# Altium PCB BEE_BOARD.PcbDoc (part 2 of 3) (continued)
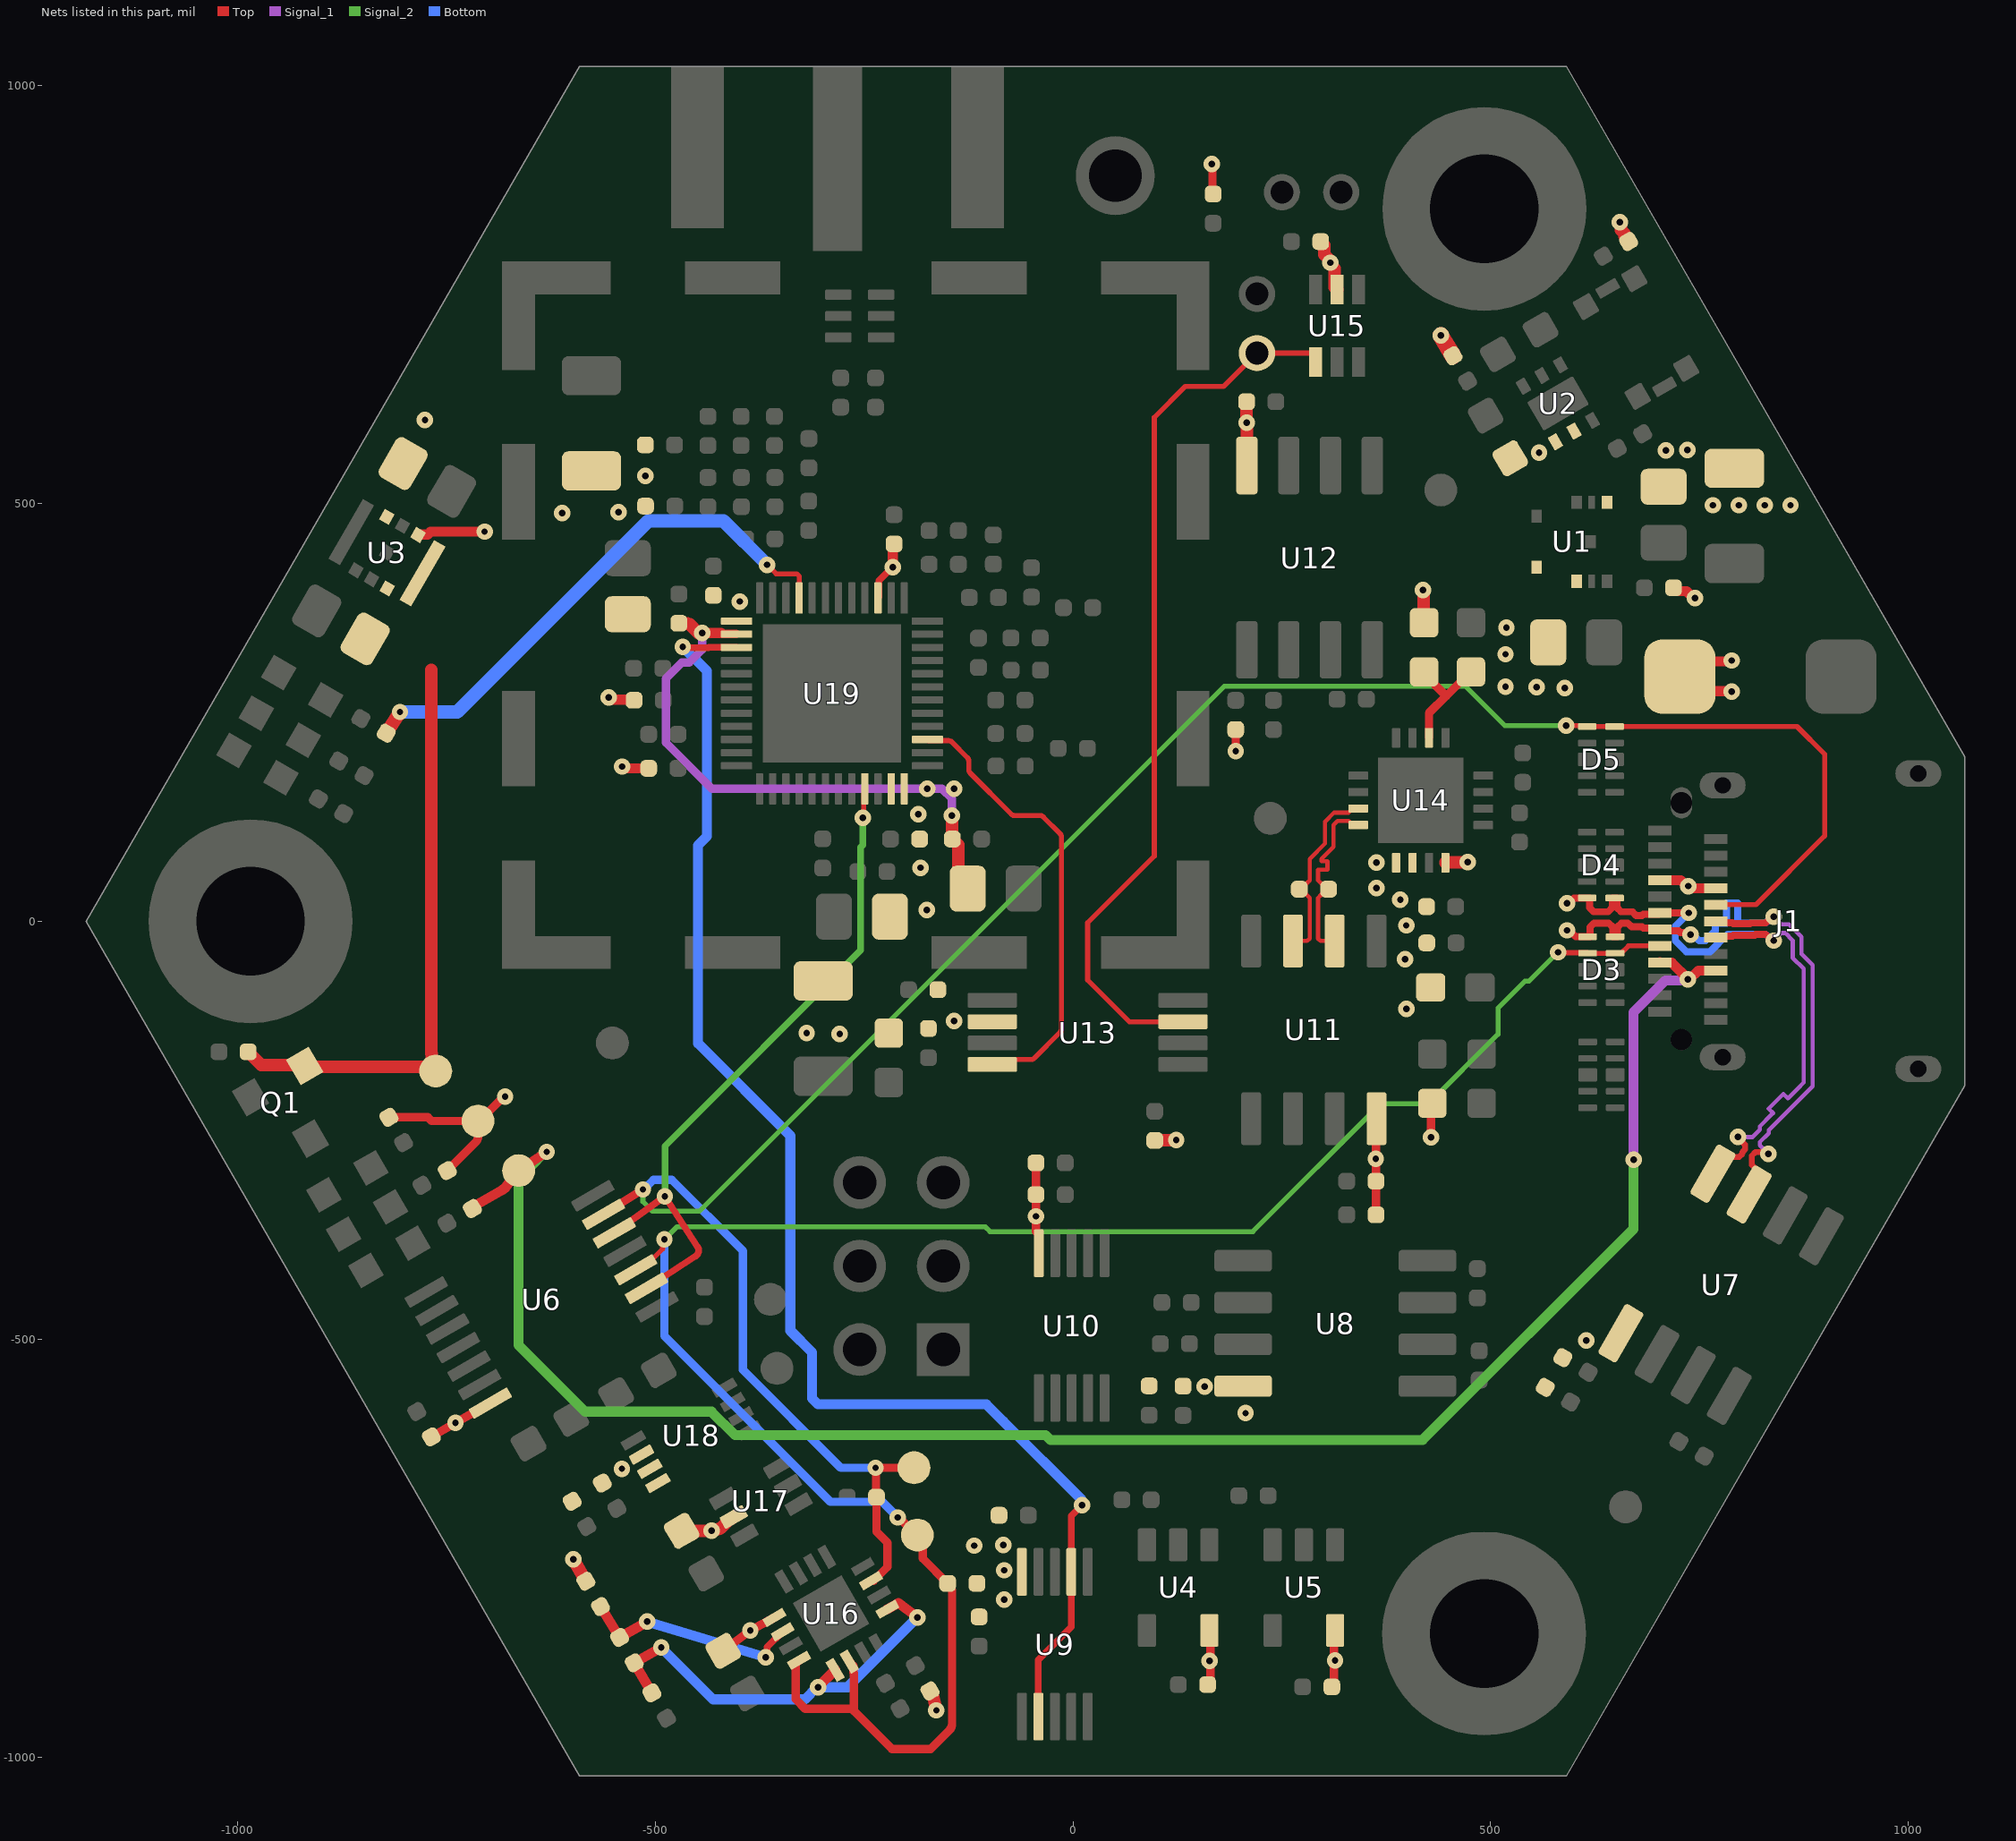
[diagram p8: the nets of this part, all layers, seen from the top]
## Part data (continued)
R37: library part RES_RC0402FR-07270RL, "RES - 270R 1% 1/16W - 0402", Manufacturer #1=Yageo, Package=0402, Power Max=1/16W, Supplier Part Number 1=311-270LRCT-ND, Temperature="-55°C ~ 155°C", Tolerance=1%, Voltage Rating=50V, Assembly Type=SMD, CreatedBy/Date="Philippe Arsenault 2020-07-24", GRAMS Lib Spec=2.8c, HelpURL=https://www.yageo.com/upload/media/product/productsearch/datasheet/rchip/PYu-RC_Group_51_RoHS_L_10.pdf, Magnetic Material=Unknown, Part Number #1=RC0402FR-07270RL, Polarized=No, Supplier 1=Digi-Key, VerifiedBy="Louis-Daniel Gaulin / 03-10-2020"
RF1: library part RF_SH_BASE_36103205S, "RF_SH -  BASE RF SHIELD 0.787\" X 0.787\" SMD", Manufacturer #1="Würth Elektronik", Supplier Part Number 1=732-11540-1-ND, Temperature="-40°C ~ 125°C", Assembly Type=SMD, CreatedBy/Date="Philippe Arsenault/2021-04-17", GRAMS Lib Spec=2.8, HelpURL=https://www.we-online.de/katalog/datasheet/36903205S.pdf, Magnetic Material=Unknown, Note="Buy with 36003200S", Part Number #1=36103205S, Polarized=No, Supplier 1=Digi-Key, VerifiedBy="Louis-Daniel Gaulin / 29-04-2021"
S1: library part SWI_TACT_435171014816, "SWI - SWITCH TACTILE SPST-NO 0.05A 12V -SMD", Current Rating=50mA, Manufacturer #1="Würth Elektronik", Package=SMD, Supplier Part Number 1=732-435171014816CT-ND, Temperature="-40°C ~ 85°C", Voltage Rating=12VDC, Assembly Type=SMD, CreatedBy/Date="Hubert Dube - 22/07/20", Cryo=UNKNOWN, GRAMS Lib Spec=2.8, HelpURL=https://www.we-online.com/catalog/datasheet/435171014816.pdf, Magnetic Material=UNKNOWN, Part Number #1=435171014816, Polarized=No, Supplier 1=Digi-Key, VerifiedBy="Louis-Daniel Gaulin / 12-11-2020"
T1: library part XFR_HHM1595A1, "XFR - Imp Unbalaced/Balanced 50/100 3-8GHz  -SMD", Manufacturer #1=TDK, Package=0805, Supplier Part Number 1=445-3387-1-ND, Temperature="-40°C ~ 85°C", Assembly Type=MT, CreatedBy/Date="Philippe Arsenault/2020-21-07", GRAMS Lib Spec=2.8, HelpURL=https://product.tdk.com/info/en/documents/data_sheet/rf_balun_hhm1595a1_en.pdf, Magnetic Material=Unknown, Part Number #1=HHM1595A1, Polarized=Yes, Supplier 1=Digi-Key, VerifiedBy="Louis-Daniel Gaulin / 03-10-2020"
U1: library part REG_SWR_XCL214B333DR, "REG_DC DC CONVERTER 3.3V 5W_9-PowerTFQFN", Current Rating=1.5A, Manufacturer #1="Torex Semiconductor Ltd", Package=9-PowerTFQFN, Supplier Part Number 1=893-1218-1-ND, Temperature="-40°C ~ 105°C", Voltage Rating="2.7V to 5.5V IN", Assembly Type=SMD, CreatedBy/Date="Louis-Daniel Gaulin / 21-07-2020", Cryo=UNKNOWN, GRAMS Lib Spec=2.8, HelpURL=https://www.torexsemi.com/file/xcl213/XCL213-XCL214.pdf, Magnetic Material=Unknown, Part Number #1=XCL214B333DR, Polarized=Yes, Supplier 1=Digi-Key, VerifiedBy="Philippe Arsenault/2020-11-06"
U2: library part POW_TPS3808G33DRVR, "POW - Programmable-Delay Supervisory Circuit Open Drain - 6WSON", Current Rating=2.4uA, Manufacturer #1="Texas Instruments", Package=6-WSON, Supplier Part Number 1=296-36792-1-ND, Temperature="-40°C ~ 125°C", Voltage Rating="1.7V ~ 6.5V (VDD); 3.07V TH", Assembly Type=SMD, CreatedBy/Date="Philippe Arsenault/2021-04-19", Cryo=UNKNOWN, GRAMS Lib Spec=2.8, HelpURL=http://www.ti.com/lit/ds/symlink/tps3808.pdf, Magnetic Material=Unknown, Part Number #1=TPS3808G33DRVR, Polarized=Yes, Supplier 1=Digi-Key, VerifiedBy="Louis-Daniel Gaulin / 29-04-2021"
U3: library part REG_SWR_MYRGP180100W21RA, "REG_DC DC CONVERTER 1.8V 1.8W_8-PowerTDFN", Current Rating=1A, Manufacturer #1="Murata Power Solutions Inc.", Package=8-PowerTDFN, Supplier Part Number 1=811-MYRGP180100W21RACT-ND, Temperature=-40°C~105°C, Voltage Rating="2.5V to 5.5V IN", Assembly Type=SMD, CreatedBy/Date="Louis-Daniel Gaulin / 21-07-2020", Cryo=UNKNOWN, GRAMS Lib Spec=2.8, HelpURL=https://www.murata.com/products/productdata/8807036026910/MYRGP-b-w.pdf?1583754814000, Magnetic Material=Unknown, Part Number #1=MYRGP180100W21RA, Polarized=Yes, Supplier 1=Digi-Key, VerifiedBy="Philippe Arsenault/2020-11-06"
U4 U5: library part LOG_BUF_74AHC1G07GV,125, "LOG_BUF - Buffer non-inverting Open Drain - SC-74A", Current Rating=8mA, Manufacturer #1="Nexperia USA Inc.", Package=SC-74A, Power Max=-, Supplier Part Number 1=1727-6761-1-ND, Temperature="-40°C ~ 125°C (TA)", Voltage Rating="2V ~ 5.5V", Assembly Type=SMD, CreatedBy/Date="Louis-Daniel Gaulin / 07-04-2021", GRAMS Lib Spec=2.8, HelpURL=https://assets.nexperia.com/documents/data-sheet/74AHC1G07.pdf, Magnetic Material=Unknown, Part Number #1=74AHC1G07GV,125, Polarized=Yes, Supplier 1=Digi-Key, VerifiedBy="Philippe Arsenault/2021-04-08"
U6: library part LOG_BUF_74LVC126APW,118, "LOG_BUF - Quad Buffer non-inverting 3-States - 14-TSSOP", Current Rating="100mA (supply) - 24mA (output)", Manufacturer #1="Nexperia USA Inc.", Package=14-TSSOP, Power Max=500mW, Supplier Part Number 1=1727-5979-1-ND, Temperature="-40°C ~ 125°C (TA)", Voltage Rating="1.65V ~ 3.6V", Assembly Type=SMD, CreatedBy/Date="Louis-Daniel Gaulin / 11-04-2021", GRAMS Lib Spec=2.8, HelpURL=https://assets.nexperia.com/documents/data-sheet/74LVC126A.pdf, Magnetic Material=Unknown, Part Number #1=74LVC126APW,118, Polarized=Yes, Supplier 1=Digi-Key, VerifiedBy="Philippe Arsenault/2021-04-14"
U7: library part COM_XCV_FIN1027AMX, "COM_XCV - 3V3 LVCMOS to LVDS, 2 bits, High-SPEED, DIFF driver - SOIC-8", Current Rating=17mA, Manufacturer #1="ON Semiconductor", Package=SOIC-8, Power Max=56mW, Supplier Part Number 1=FIN1027AMXCT-ND, Temperature="-40°C ~ 85°C", Voltage Rating="3V ~ 3.6V", Assembly Type=SMD, CreatedBy/Date="Philippe Arsenault/2021-04-01", GRAMS Lib Spec=2.8, HelpURL=https://www.onsemi.com/pdf/datasheet/fin1027a-d.pdf, Magnetic Material=Unknown, Part Number #1=FIN1027AMX, Polarized=YES, Supplier 1=Digi-Key, VerifiedBy="Louis-Daniel Gaulin - 05/04/2021"
U8 U12: library part COM_XCV_FIN1028MX, "COM_XCV - 3V3 LVDS to LVCMOS, 2 bits, High-SPEED, DIFF receiver - SOIC-8", Current Rating=9mA, Manufacturer #1="ON Semiconductor", Package=SOIC-8, Power Max=30mW, Supplier Part Number 1=FIN1028MXCT-ND, Temperature="-40°C ~ 85°C", Voltage Rating="3V ~ 3.6V", Assembly Type=SMD, CreatedBy/Date="Philippe Arsenault/2021-04-01", GRAMS Lib Spec=2.8, HelpURL=https://www.onsemi.com/pdf/datasheet/fin1028-d.pdf, Magnetic Material=Unknown, Part Number #1=FIN1028MX, Polarized=YES, Supplier 1=Digi-Key, VerifiedBy="Louis-Daniel Gaulin - 05/04/2021"
U9 U10: library part LOG_MUX_TMUX154EDGSR, "LOG_MUX -  SWITCH SPDT DUAL 2:1 - 10-VSSOP", Current Rating=10uA, Manufacturer #1="Texas Instruments", Manufacturer #2=-, Package=10-VSSOP, Power Max=50uW, Supplier Part Number 1=296-48347-1-ND, Temperature="-40°C ~ 85°C", Voltage Rating="3V ~ 4.3V", Assembly Type=SMD, CreatedBy/Date="Louis-Daniel Gaulin / 06-10-2020", GRAMS Lib Spec=2.8C, HelpURL=https://www.ti.com/lit/ds/symlink/tmux154e.pdf?HQS=TI-null-null-digikeymode-df-pf-null-wwe&ts=1602037764538, Magnetic Material=Unknown, Note=-, Part Number #1=TMUX154EDGSR, Part Number #2=-, Polarized=YES, Supplier 1=Digi-Key, Tolerance=-, VerifiedBy="Philippe Arsenault/2020-11-06"
U11: library part TIM_BUF_PI6C49CB01Q3WEX, "TIM_BUF - Clock Translator IC 1:1 LVDS-LVCMOS -  8-SOIC", Current Rating=35mA, Manufacturer #1="Diodes Incorporated", Package=8-SOIC, Power Max=126mW, Supplier Part Number 1=31-PI6C49CB01Q3WEXCT-ND, Temperature="-40 to 85°C", Voltage Rating="2.375V ~ 2.625V, 3V ~ 3.6V", Assembly Type=SMD, CreatedBy/Date="Philippe Arsenault/2021-03-26", GRAMS Lib Spec=2.7, HelpURL=https://www.diodes.com/assets/Datasheets/PI6C49CB01Q.pdf, Magnetic Material=Unknown, Part Number #1=PI6C49CB01Q3WEX, Polarized=Yes, Supplier 1=Digi-Key, VerifiedBy="Louis-Daniel Gaulin - 05/04/2021"
U13: library part COM_BUF_LMK1C1102PWR, "COM - BUF - Clock buffer 3V3, 2V5, 1V8 2 Channel - TSSOP 8", Current Rating="Input +-20mA ; Output +- 50mA", Manufacturer #1="Texas Instruments", Package="TSSOP 8 pin", Power Max=132mW, Supplier Part Number 1=296-LMK1C1102PWRCT-ND, Temperature="–40°C to 125°C", Voltage Rating="1.71V ~ 1.89V, 2.375V ~ 2.625V, 3.135V ~ 3.465V", Assembly Type=SMT, CreatedBy/Date="Philippe Arsenault/20-07-2020", Cryo=No, GRAMS Lib Spec=2.8, HelpURL=https://www.ti.com/lit/ds/symlink/lmk1c1102.pdf?ts=1595262014854&ref_url=https%253A%252F%252Fwww.ti.com%252Fproduct%252FLMK1C1102%253Futm_source%253Dgoogle%2526utm_medium%253Dcpc%2526utm_campaign%253Dasc-null-null-GPN_EN-cpc-pf-google-wwe%2526utm_content%253DLMK1C1102%2526ds_k%253DLMK1C1102%2526DCM%253Dyes%2526gclid%253DCjwKCAjwgdX4BRB_EiwAg8O8HUIvo-ksMfq8YInqTklLXWuMoCGXxsnhq04Fqr4kdDFQPSc0fYG9iRoCPvAQAvD_BwE%2526gclsrc%253Daw.ds, Magnetic Material=Unknown, Part Number #1=LMK1C1102PWR, Polarized=Yes, Supplier 1=Digi-Key, VerifiedBy="Louis-Daniel Gaulin / 23-07-2020"
U14: library part TIM_MUX_DS25CP102TSQ/NOPB, "TIM_MUX - Crosspoint Switch 1 x 2:2 3.125Gbps - 16-WQFN (4x4)", Current Rating=90mA, Manufacturer #1="Texas Instrument", Package=16-WQFN, Power Max=180mW, Supplier Part Number 1=DS25CP102TSQ/NOPBCT-ND, Temperature="-40°C ~ 85°C", Voltage Rating="3V ~ 3.6V", Assembly Type=SMD, CreatedBy/Date="Philippe Arsenault/2021-04-01", GRAMS Lib Spec=2.8, HelpURL=https://www.ti.com/lit/ds/symlink/ds25cp102.pdf?HQS=dis-dk-null-digikeymode-dsf-pf-null-wwe&ts=1617306001217, Magnetic Material=UNKNOWN, Part Number #1=DS25CP102TSQ/NOPB, Polarized=YES, Supplier 1=Digi-Key, VerifiedBy="Louis-Daniel Gaulin / 08-04-2021"
U15: library part LOG_FLIPFLOP_SN74LVC1G175DCKT, "LOG_FLIPFLOP - Single D flip-flop with Asynchronous clear - SOT-363", Current Rating=100mA, Manufacturer #1="Texas Instruments", Package=SOT-363, Part Number #1=SN74LVC1G175DCKR, Supplier Part Number 1=296-16998-1-ND, Temperature="-40°C ~ 125°C", Voltage Rating="1.65V ~ 5.5V", Assembly Type=SMD, CreatedBy/Date="Philippe Arsenault/21-07-2020", Cryo=No, GRAMS Lib Spec=2.8, HelpURL=https://www.ti.com/lit/ds/symlink/sn74lvc1g175.pdf?ts=1594769483993&ref_url=https%253A%252F%252Fwww.google.com%252F, Magnetic Material=Unknown, Polarized=Yes, Supplier 1=Digi-Key, VerifiedBy="Louis-Daniel Gaulin / 03-10-2020"
U16: library part CMP_LM339LVRTER, "COMP - Quad Comparator General Purpose Open-Drain, Rail-to-Rail - 16-WQFN (3x3)", Current Rating="100mA@5V (SC)", Manufacturer #1="Texas instrument", Package="16-WFQFN Exposed Pad", Power Max=-, Supplier Part Number 1=296-LM339LVRTERCT-ND, Temperature="-40°C ~ 125°C (TA)", Voltage Rating="1.65V ~ 5.5V", Assembly Type=SMD, CreatedBy/Date="Philippe Arsenault/2021-04-10", GRAMS Lib Spec=2.8, HelpURL=https://www.ti.com/lit/ds/symlink/lm339lv.pdf?ts=1618013735062, Magnetic Material=Unknown, Part Number #1=LM339LVRTER, Polarized=Yes, Supplier 1=Digi-Key, VerifiedBy="Louis-Daniel Gaulin / 14-04-2021"
U17: library part LOG_XOR_74LVC1G386GW,125, "LOG -  XOR (Exclusive OR) IC 1 Channel 3 inputs- 6-TSSOP", Current Rating="100mA (supply) , 50mA (out)", Manufacturer #1="Nexperia USA Inc.", Package=6-TSSOP, Power Max=250mW, Supplier Part Number 1=1727-6982-1-ND, Temperature="-40°C ~ 125°C (TA)", Voltage Rating="1.65V ~ 5.5V", Assembly Type=SMD, CreatedBy/Date="Philippe Arsenault/2021-04-10", GRAMS Lib Spec=2.8, HelpURL=https://assets.nexperia.com/documents/data-sheet/74LVC1G386.pdf, Magnetic Material=Unknown, Part Number #1=74LVC1G386GW,125, Polarized=Yes, Supplier 1=Digi-Key, VerifiedBy="Louis-Daniel Gaulin / 14-04-2021"
U18: library part LOG_FLIPFLOP_74LVC1G74DC,125, "LOG_FLIPFLOP - D-Type Flip Flop Bit Positive Edge with asynchronous operation - 8-VSSOP", Current Rating="32mA output", Manufacturer #1="Nexperia USA Inc.", Package=VSSOP-8, Power Max=300mW, Supplier Part Number 1=1727-4029-1-ND, Temperature="-40°C ~ 125°C (TA)", Voltage Rating="1.65V ~ 5.5V", Assembly Type=SMD, CreatedBy/Date="Philippe Arsenault/2021-04-14", GRAMS Lib Spec=2.8, HelpURL=https://assets.nexperia.com/documents/data-sheet/74LVC1G74.pdf, Magnetic Material=Unknown, Part Number #1=74LVC1G74DC,125, Polarized=Yes, Supplier 1=Digi-Key, VerifiedBy="Louis-Daniel Gaulin / 16-04-2021"
U19: library part COM_XCV_DW1000-I-TR13, "COM - IC RF TxRx 802.15.4 IR-UWB DECAWAVE - 48-VFQFN EP", Current Rating="Rx 64mA/Tx 31mA", Manufacturer #1=Decawave, Manufacturer #2=Qorvo, Package="QFN 48", Supplier Part Number 1=1479-1001-1-ND, Temperature="-40°C ~ 85°C", Voltage Rating="2.8 - 3.6 V", Assembly Type=SMT, CreatedBy/Date="Philippe Arsenault/13-07-2020", Cryo=No, GRAMS Lib Spec=2.8, HelpURL=https://www.decawave.com/sites/default/files/resources/DW1000-Datasheet-V2.12.pdf, Magnetic Material=Unknown, Part Number #1=DW1000-I-TR13, Polarized=Yes, Supplier 1=Digi-Key

## Via types
v1: diameter 19.68, hole 7.87, Top to Bottom, tented both sides, 270 vias
v2: diameter 19.68, hole 9.84, Top to Bottom, tented both sides, 16 vias
v3: diameter 19.68, hole 7.87, Top to Bottom, tented top, 1 vias

## Nets (pads, with @x,y where several pads share a name; then routed paths per layer and width w, separated by ;. In a path a pad name is that pad's centre, name@x,y a point inside that pad or via, vN(x,y) a via of type N, cw(c..) or ccw(c..) an arc to the next point about the centre after c; other vN are vias at no path point)
0V825_REF: R30.1 R31.2 U16.5 U16.9 | length 524.4
  Top w12: R31.2@-503.93,-923.32 R30.1@-525.07,-887.37 v1(-492.72,-869.02) ; v1(-304.87,-916.56) -304.87,-916.06 U16.5@-284.63,-895.82 ; U16.9@-221.96,-823.27 -208.87,-815.92 v1(-186.17,-833.03)
  Bottom w12: v1(-492.72,-869.02) -430.57,-931.17 -321.04,-931.17 -306.42,-916.56 v1(-304.87,-916.56) -269.69,-916.56 v1(-186.17,-833.03)
1V8: 1V8.1 C8.2 C39.2 C43.2 C62.2 C66.2 Q1.1 R3.1 U3.3 U3.8 U19.26 U19.48 | length 1431.3
  Top w10: U19.26@-419.79,343.78 U19.26@-402.92,343.78
  Top w12: C8.2@-836.14,350.93 C8.2@-836.14,353.12 ; v1(-443.64,344.87) U19.26@-420.88,344.87
  Top w15: R3.1@-987.07,-156.35 -971.22,-172.2 -920.38,-172.2 Q1.1@-919.39,-173.19 -918.41,-174.17 -774.31,-174.17 -773.88,-174.61 1V8.1@-767.28,-174.61 ; -767.83,300.57 -767.83,-158.3 -767.28,-158.85 -767.28,-173.51 -767.83,-174.06 1V8.1@-767.28,-174.61 ; 1V8.1@-762.62,-179.27 1V8.1@-767.28,-174.61 ; 1V8.1@-762.32,-174.61 1V8.1@-767.28,-174.61 ; C66.2@-471.64,356.53 -461.39,356.53 -459.96,355.1 -458.55,355.1 -448.32,344.87 v1(-443.64,344.87) ; v1@-144.98,128.92 v1(-144.98,126.3) -144.62,125.94 -144.62,98.68 C43.2@-144.25,98.31 -137.08,91.14 -137.08,59.14 -123.58,45.64 C39.2@-118.47,45.64
  Signal_1 w10: v1(-443.64,344.87) -443.64,324.98 -459.14,309.48 -468.01,309.48 -487.07,290.42 -487.07,213.6 -431.88,158.41 -156.69,158.41 -144.98,146.7 v1(-144.98,126.3)
  other v1: -174.35,158.59 -142.36,158.59
2V475_REF: R29.1 R30.2 U16.2 | length 268.6
  Top w8: v1(-367.73,-880.67) -365.87,-878.81 -365.87,-868.64 U16.2@-347.34,-850.2 U16.2@-347.34,-850.2
  Top w12: R29.1@-565.45,-820.05 R30.2@-542.57,-857.06 v1(-509.46,-838.06)
  Bottom w12: v1(-509.46,-838.06) v1(-367.73,-880.67)
3V3: 3V3.1 C4.1 C5.2 C7.2 C9.2 C10.2 C11.2 C12.1 C13.2 C14.2 C15.2 C16.2 C17.2 C21.2 C22.2 C23.2 C24.1 C25.2 C26.2 C27.1 C28.2 C29.2 C30.2 C31.1 C32.1 C33.1 C34.2 C35.2 C36.2 C40.2 C41.2 C45.2 C47.2 C49.2 L1.1 L2.1 R2.2 R4.1 R13.2 R15.2 R19.2 R23.2 R24.2 R25.2 R28.2 R29.2 R38.1 R39.1 R40.2 R41.2 R42.2 U1.4 U1.9 U2.1 U2.2 U3.4 U3.6 U4.5 U5.5 U6.14 U7.1 U8.8 U9.10 U10.10 U11.8 U12.8 U13.6 U14.13 U14.14 U14.16 U15.5 U16.1 U17.5 U18.6 U18.7 U18.8 U19.15 U19.25 U19.47 | length 1490.1
  Top w6: U19.15@-233.3,386.76 U19.15@-231.97,388.09 ; v1@-215.96,423.6 v1(-215.68,423.6) ; C47.2@-215.68,445.2 -211.75,449.13 C47.2@-214.07,451.45
  Top w8: U19.15@-231.97,388.09 -231.97,407.59 v1@-215.96,423.6
  Top w10: R4.1@-818.58,-234.62 -772.02,-234.62 -767.58,-239.06 3V3.1@-711.99,-239.06 ; C12.1@-767.83,-617.04 v1(-738.96,-600.14) U6.14@-697.17,-576.59 ; R2.2@-748.79,-298.43 -714.9,-264.54 ccw(c-721.99,-257.49) -711.99,-257.49 3V3.1@-711.99,-239.06 ; v1(-679.54,-209.76) -681.11,-209.76 -710.41,-239.06 3V3.1@-711.99,-239.06 ; C32.1@-418.61,-873.03 v1(-386.11,-848.74) U16.1@-357.19,-833.15 ; C21.2@-44.21,-289.2 C17.2@-44.21,-327.14 v1(-44.21,-353.02) -44.21,-371.28 -40.86,-374.63 U10.10@-40.86,-397.27 ; R23.2@97.95,-262.36 R23.2@97.95,-262.36 R23.2@98.18,-262.13 ; v1@123.41,-262.13 v1(123.64,-261.91) ; C10.2@161.2,-913.46 164.7,-909.96 164.7,-886.37 v1(163.38,-885.04) ; U4.5@163.35,-848.6 164.7,-849.95 v1@164.7,-885.04 ; v1(166.11,906.24) 166.94,905.41 166.94,871 R24.2@167.77,870.18 ; v1(194.8,203.44) R19.2@194.79,229.4 ; C9.2@310.63,-911.05 312.23,-909.46 312.23,-850.19 U5.5@313.82,-848.6 ; C22.2@362.67,-351.28 C23.2@362.67,-310.99 362.55,-310.86 362.55,-284.25 v1(362.42,-284.12) 362.87,-283.67 362.87,-236.67 U11.8@363.32,-236.22 ; v1(418.75,396.48) v1@419.51,395.72 ; R15.2@419.51,358.02 R15.2@420.28,357.26 ; v1(428.6,-258.42) 428.6,-219.41 R13.2@430.12,-217.89 ; R42.2@454.84,676.62 R42.2@454.84,681.16 ; C5.2@567.51,332.31 C5.2@568.86,333.66
  Top w12: U3.4@-783.75,462.19 -783.29,462.65 -772.16,462.65 -768.63,466.18 v1(-704.11,466.18) ; v1@-556.34,265.08 -525.86,265.08 R38.1@-525.24,264.46 ; v1(-555.54,267.95) v1@-554.93,267.33 ; v1@-541.11,182.83 -507.88,182.83 R39.1@-507.74,182.96 ; v1(-215.68,423.6) C47.2@-215.68,445.2
  Top w15: v1(-597.88,-763.58) R29.2@-582.95,-789.74 ; C33.1@-468.33,-729.47 -455.1,-733.38 -455.1,-730.1 -454.53,-729.53 -432.52,-729.53 v1(-432.33,-729.33) -430.56,-728.89 cw(c-426.91,-743.44) -429.84,-728.73 -426.94,-728.15 ccw(c-429.87,-713.44) -419.27,-724.05 -412.78,-717.56 ccw(c-423.43,-707) -412.06,-716.78 -412.83,-717.23 U17.5@-405.88,-712.78 ; R28.2@-171.12,-921.04 -169.18,-923.86 cw(c-181.53,-932.37) -166.91,-929.03 v1(-163.46,-944.16) ; R23.2@98.18,-262.13 v1@123.41,-262.13 ; C25.2@207.86,621.61 207.82,621.56 v1(207.77,596.54) v1(207.77,596.54) 208.02,596.29 208.02,545.52 U12.8@208.27,545.28 ; C31.1@296.48,813.21 300.86,808.83 300.86,797.48 308.2,790.14 v1(308.2,788.05) 308.2,785.96 313.29,780.87 313.29,758.65 U15.5@316.16,755.78 ; R15.2@419.51,358.02 v1@419.51,395.72 ; U14.16@445.87,69.88 445.87,70.2 445.94,70.28 472.22,70.28 v1(472.62,70.68) ; v1(654.41,836.48) 655.88,835 655.88,827.04 660.03,822.9 660.03,819.63 665.07,814.58 R40.2@665.07,813.31
  Top w20: v1(440.26,700.95) R42.2@454.84,676.62
  other v1: 313.72,-884.61 -82.29,-811.82 -82.19,-776.58 -118.01,-747.19 -83.37,-746.38 -539.86,-655.13 206.68,-588.6 157.69,-556.74 614.25,-501.77 -279.11,-134.8 -318.69,-133.91 -142.17,-119.37 399.08,-104.93 397.42,-45.58 398.92,-5.07 -174.87,13.37 391.81,25.84 363.32,39.74 -182.43,63.98 363.32,70.28 -185.18,128.11 -539.7,185.08 588.75,278.88 517.68,280.46 554.95,280.21 517.68,319.49 518.78,351.19 -398.66,382.57 -611.25,488.32 -543.82,489.42 -511.8,532.89 557.82,560.58 -775.47,599.77
5V: 5V.1 C1.2 C3.2 D1.1 J1.A4 J1.A9 J1.B4 J1.B9 R1.2 R43.2 U1.1 | length 2519.9
  Top w12: R1.2@-718.81,-343.81 -716.05,-340.59 -682.42,-321.17 ccw(c-688.42,-310.78) -679,-318.22 5V.1@-663.39,-298.43 v1(-629.77,-276) ; J1.A4@702.36,-49.21 702.46,-49.31 716.6,-49.31 735.94,-68.65 v1(735.94,-69.5) 738.02,-69.5 748.37,-59.15 769.2,-59.15 J1.B9@769.29,-59.06 ; J1.A9@702.36,49.21 702.46,49.12 727.76,49.12 737.51,39.37 J1.B4@769.29,39.37 ; D1.1@718.81,300.31 D1.1@726.38,292.74 ; R43.2@718.81,398.94 722.81,394.94 734.34,394.94 742.52,386.76 v1(744.6,386.76) ; v1(788.48,274.91) 788.18,275.21 743.91,275.21 D1.1@726.38,292.74 ; v1(788.48,311.96) 787.49,310.96 744.6,310.96 D1.1@726.38,292.74
  Signal_1 w12: v1(670.97,-285.26) 670.97,-109.11 709.1,-70.97 734.47,-70.97 v1(735.94,-69.5)
  Signal_2 w12: v1(-629.77,-276) -631.85,-276 -650.29,-294.44 -652.4,-294.44 -663.39,-305.42 -663.39,-507.29 -583.81,-586.87 -432.5,-586.87 -404.44,-614.92 -32.71,-614.92 -26.68,-620.95 418.35,-620.95 670.97,-368.34 v1(670.97,-285.26)
  other v1: 736.33,42.03 766.09,497.72 797,497.72 827.91,497.72 858.83,497.72 709.75,563.41 735.3,563.81
BB_CLK: CLK.2 U13.3 U15.1 | length 1074.2
  Top w6: U13.3@131.81,-120.22 67.46,-120.22 17.63,-70.39 17.63,-1.85 97.33,77.85 97.33,602.81 134.43,639.9 180.4,639.9 CLK.2@220.28,679.78 286.2,679.78 290.57,675.4 U15.1@290.57,669.16
CC1: CC1.1 D3.4 D3.7 J1.A5 R25.1 U6.3 U16.4 U16.6 | length 2510.9
  Top w6: U6.3@-523.3,-417.1 -516.1,-417.1 -491.13,-392.14 -491.13,-383.03 v1(-488.89,-380.79) ; v1(580.47,-37.15) 581.05,-37.72 615.45,-37.72 D3.7@616.02,-38.29 D3.4@648.89,-38.29 656.08,-38.29 664.85,-29.53 J1.A5@702.36,-29.53
  Top w10: U16.4@-327.66,-884.29 -331.79,-888.43 -331.79,-930.9 -320.2,-942.49 -264.42,-942.49 -262.07,-944.85 ; U16.6@-267.59,-885.98 -262.65,-890.91 -262.65,-899.07 -262.07,-899.65 -262.07,-944.85 ; v1(-209.55,-713.37) -208.41,-713.37 -187.31,-734.47 CC1.1@-186.17,-734.47 -179.78,-740.86 -179.78,-762.45 R25.1@-149.95,-792.28 -147.55,-794.69 cw(c-154.62,-801.76) -144.62,-801.76 -144.62,-960.6 cw(c-154.62,-960.6) -147.55,-967.67 -170.29,-990.42 -216.5,-990.42 -262.07,-944.85
  Signal_2 w6: v1(-488.89,-380.79) -473.76,-365.66 -104.95,-365.66 -99.2,-371.41 215.3,-371.41 368.3,-218.41 425.6,-218.41 508.76,-135.25 508.76,-104 540.88,-71.88 545.74,-71.88 v1(580.47,-37.15)
  Bottom w10: v1(-488.89,-380.79) -488.89,-496.2 -290.36,-694.73 -228.18,-694.73 v1(-209.55,-713.37)
CC2: CC2.1 D5.5 D5.6 J1.B5 R26.2 U6.6 U16.11 | length 2753.2
  Top w6: v1(590.27,233.93) 614.49,233.93 D5.6@615.43,232.99 D5.5@648.3,232.99 866.61,232.99 899.6,200 899.6,102.03 817.26,19.68 J1.B5@769.29,19.68
  Top w10: U6.6@-561.69,-350.62 v1(-514.68,-320.94) -514.37,-320.75 v1@-513.74,-320.35 ; U16.11@-241.65,-789.17 -238.62,-789.17 -221.96,-772.51 -221.96,-743.5 -235.16,-730.31 R26.2@-235.16,-689.21 -235.16,-688.67 -235.7,-688.13 -235.7,-654.49 v1(-236.24,-653.95) CC2.1@-190.2,-653.95
  Signal_2 w6: v1(-514.68,-320.94) -514.65,-335.56 -503.2,-347.02 -447.08,-347.02 181.25,281.31 469.67,281.31 517.05,233.93 v1(590.27,233.93)
  Bottom w10: v1(-514.68,-320.94) -513.59,-320.94 -501.95,-309.3 -480.14,-309.3 -395.02,-394.43 -395.02,-536.78 -277.85,-653.95 v1(-236.24,-653.95)
CLK_BB_LVDS_N: R17.1 U11.3 U14.11 | length 225.8
  Top w5: U11.3@263.32,-23.62 280.39,-23.62 283.32,-20.69 283.32,6.49 283.39,6.56 283.39,27.96 280.46,30.89 280.28,30.89 R17.1@272.78,38.39 ; R17.1@270.89,38.39 R17.1@272.78,38.39 ; U14.11@341.54,134.84 334.65,134.84 329.8,130 322.22,130 312.63,130 301.78,119.14 301.78,92.96 283.39,74.57 283.39,48.81 280.46,45.89 280.28,45.89 R17.1@272.78,38.39
CLK_BB_LVDS_P: R17.2 U11.2 U14.12 | length 225.8
  Top w5: R17.2@305.89,38.39 R17.2@303.99,38.39 ; U11.2@313.32,-23.62 296.25,-23.62 293.32,-20.69 293.32,2.35 293.39,2.42 293.39,27.96 296.31,30.89 296.49,30.89 R17.2@303.99,38.39 ; U14.12@341.54,115.16 334.65,115.16 329.8,120 318.08,120 316.78,120 311.78,115 311.78,88.82 297.6,74.64 297.6,71.71 304.65,71.71 304.65,61.71 293.39,61.71 293.39,49.21 293.39,48.81 296.31,45.89 296.49,45.89 R17.2@303.99,38.39
CLK_OUT: U13.8 U19.3 | length 548.5
  Top w6: U19.3@-174.25,217.47 -172.92,216.14 -149.13,216.14 cw(c-149.13,210.14) -144.92,214.41 -126.47,195.97 cw(c-130.73,191.74) -124.73,191.74 -124.73,181.54 ccw(c-118.73,181.54) -122.99,177.31 -73.81,128.13 ccw(c-69.6,132.4) -69.63,126.4 -39.42,126.4 cw(c-39.42,120.4) -35.2,124.68 -15.57,105.05 cw(c-19.83,100.82) -13.83,100.82 -13.83,-128.91 cw(c-19.83,-128.91) -15.56,-133.12 -46.24,-163.8 cw(c-50.46,-159.54) -50.46,-165.54 -90.68,-165.54 U13.8@-96.54,-171.4
D_N: D4.1 D4.10 J1.A7 J1.B7 U7.8 | length 840.8
  Top w7: U7.8@765.95,-302.04 785.91,-282.08 797.36,-282.08 801.47,-277.98 801.47,-276 804.29,-273.18 804.29,-267.38 795.83,-258.92 v1(795.83,-257.92)
  Top w8.5: v1@590.75,21.52 593.78,21.52 599.74,27.47 615.11,27.47 D4.10@615.43,27.79 617.87,27.79 618.18,27.47 618.18,16.32 623.16,11.34 640.56,11.34 645.54,16.32 645.54,27.47 645.86,27.79 D4.1@648.3,27.79 650.75,27.79 651.06,27.47 651.06,16.32 656.04,11.34 669.61,11.34 674.2,6.75 681.24,6.75 682.68,8.19 700.71,8.19 J1.A7@702.36,9.84 702.45,9.93 736.72,9.93 v1(736.81,10.01) ; J1.B7@769.29,-19.69 770.95,-18.03 788.98,-18.03 790.42,-16.59 815.96,-16.59 816.97,-15.58 829,-15.58 836.65,-23.23 v1(838.58,-23.23)
  Signal_1 w5: v1(795.83,-257.92) 796.13,-258.21 813.41,-258.21 822.18,-249.44 822.18,-245.45 836.21,-231.42 837.98,-229.65 832.55,-224.23 850.23,-206.55 855.65,-211.98 867.06,-200.57 874.68,-192.95 874.68,-56.84 861.45,-43.6 861.45,-22.96 852.56,-14.08 847.87,-14.08 838.72,-23.23 v1(838.58,-23.23)
  Bottom w8.5: v1(736.81,10.01) 736.81,9.83 720.92,-6.05 720.92,-23.34 734.24,-36.65 762.52,-36.65 783.59,-15.58 829,-15.58 836.65,-23.23 v1(838.58,-23.23)
  other v1: 591.25,21.52
D_P: D3.5 D3.6 J1.A6 J1.B6 U7.7 | length 840.8
  Top w7: U7.7@816.63,-319.66 816.63,-295.78 812.47,-291.61 812.47,-280.56 816.57,-276.46 830.44,-276.46 v1(832.49,-278.51)
  Top w8.5: v1(591.25,-10.96) 594.27,-10.96 601.61,-18.3 615.71,-18.3 D3.6@616.02,-18.61 618.47,-18.61 618.78,-18.3 618.78,-7.14 623.76,-2.16 641.16,-2.16 646.14,-7.14 646.14,-18.3 646.45,-18.61 D3.5@648.89,-18.61 651.34,-18.61 651.65,-18.3 651.65,-7.14 656.63,-2.16 664.02,-2.16 668.61,-6.75 681.24,-6.75 682.68,-8.19 700.71,-8.19 J1.A6@702.36,-9.84 704.02,-11.5 724.78,-11.5 726.98,-13.7 736.88,-13.7 v1(739.02,-15.84) ; J1.B6@769.29,0 770.95,-1.66 788.98,-1.66 790.42,-3.09 810.37,-3.09 811.38,-2.08 829,-2.08 836.65,5.58 v1(838.58,5.58)
  Signal_1 w5: v1(832.49,-278.51) 822.3,-268.32 822.3,-264.18 832.68,-253.79 832.68,-249.8 885.18,-197.3 885.18,-52.49 871.95,-39.25 871.95,-18.61 856.91,-3.58 847.87,-3.58 838.72,5.58 v1(838.58,5.58)
  Bottom w8.5: v1(739.02,-15.84) 742.04,-15.84 749.35,-23.15 750.91,-23.15 756.92,-23.15 768.66,-11.41 768.66,-2.15 782.16,-2.15 782.16,21.74 795.66,21.74 795.66,-2.08 829,-2.08 830.91,-0.16 836.65,5.58 v1(838.58,5.58)
DW_IRQ_BB: U6.2 U6.5 U19.45 | length 816.4
  Top w6: v1(-251.35,123.77) -250.2,124.92 -250.2,157.26 U19.45@-249.05,158.41
  Top w8: U6.5@-548.89,-372.78 v1(-488.37,-329.16) -449.24,-389.71 cw(c-455.94,-394.09) -451.57,-400.78 U6.2@-510.51,-439.27
  Signal_2 w8: v1(-488.37,-329.16) -488.37,-269.05 -253.97,-34.66 -253.97,88.58 -251.35,91.2 v1(-251.35,123.77)
DW_RESET_BB: U9.2 U9.7 U19.27 | length 1691.7
  Top w8: v1(-466.94,328.33) -465.64,327.03 -436.25,327.03 -435.57,327.7 U19.27@-402.59,327.7 ; U9.2@-41.34,-951.77 -41.34,-883.89 -1.97,-844.52 U9.7@-1.97,-778.54 -1.97,-711.62 v1(10.95,-698.71)
  Bottom w12: v1(-466.94,328.33) -438.04,299.43 -438.04,101.42 -448.75,90.71 -448.75,-146.07 -338.18,-256.64 -338.18,-489.86 -312.2,-515.84 -312.2,-570.85 -305.17,-577.88 -103.75,-577.88 -83.37,-598.26 9.86,-691.48 9.86,-697.61 v1(10.95,-698.71)
EQ: R15.1 R16.2 U14.6 | length 139.4
  Top w10: R15.1@419.46,297.3 419.46,296.8 446.61,269.64 446.85,269.41 475.7,298.26 R16.2@476.38,298.26 ; U14.6@426.18,219.49 426.18,249.21 446.66,269.69
EXTON: R34.2 U19.21 | length 656.8
  Top w6: v1(-366.06,426.48) -355.27,415.69 -330.53,415.69 -327.36,412.52 -327.36,387.19 U19.21@-327.79,386.76
  Top w16: R34.2@-821.9,225 v1(-805.42,250.42)
  Bottom w16: v1(-805.42,250.42) -736.77,250.42 -508.12,479.07 -418.17,479.07 -366.06,426.96 v1(-366.06,426.48)